# Altium PCB HV Interface.PcbDoc (part 2 of 3)
Units mil, origin at the board's own origin, x right, y up, seen from the top; angles counter-clockwise.
Board outline 6200 x 4300 mil, 2 copper layers (Top Layer, Bottom Layer), stack 59.8 mil thick; 137 components, 86 nets, 402 pads, 288 vias.
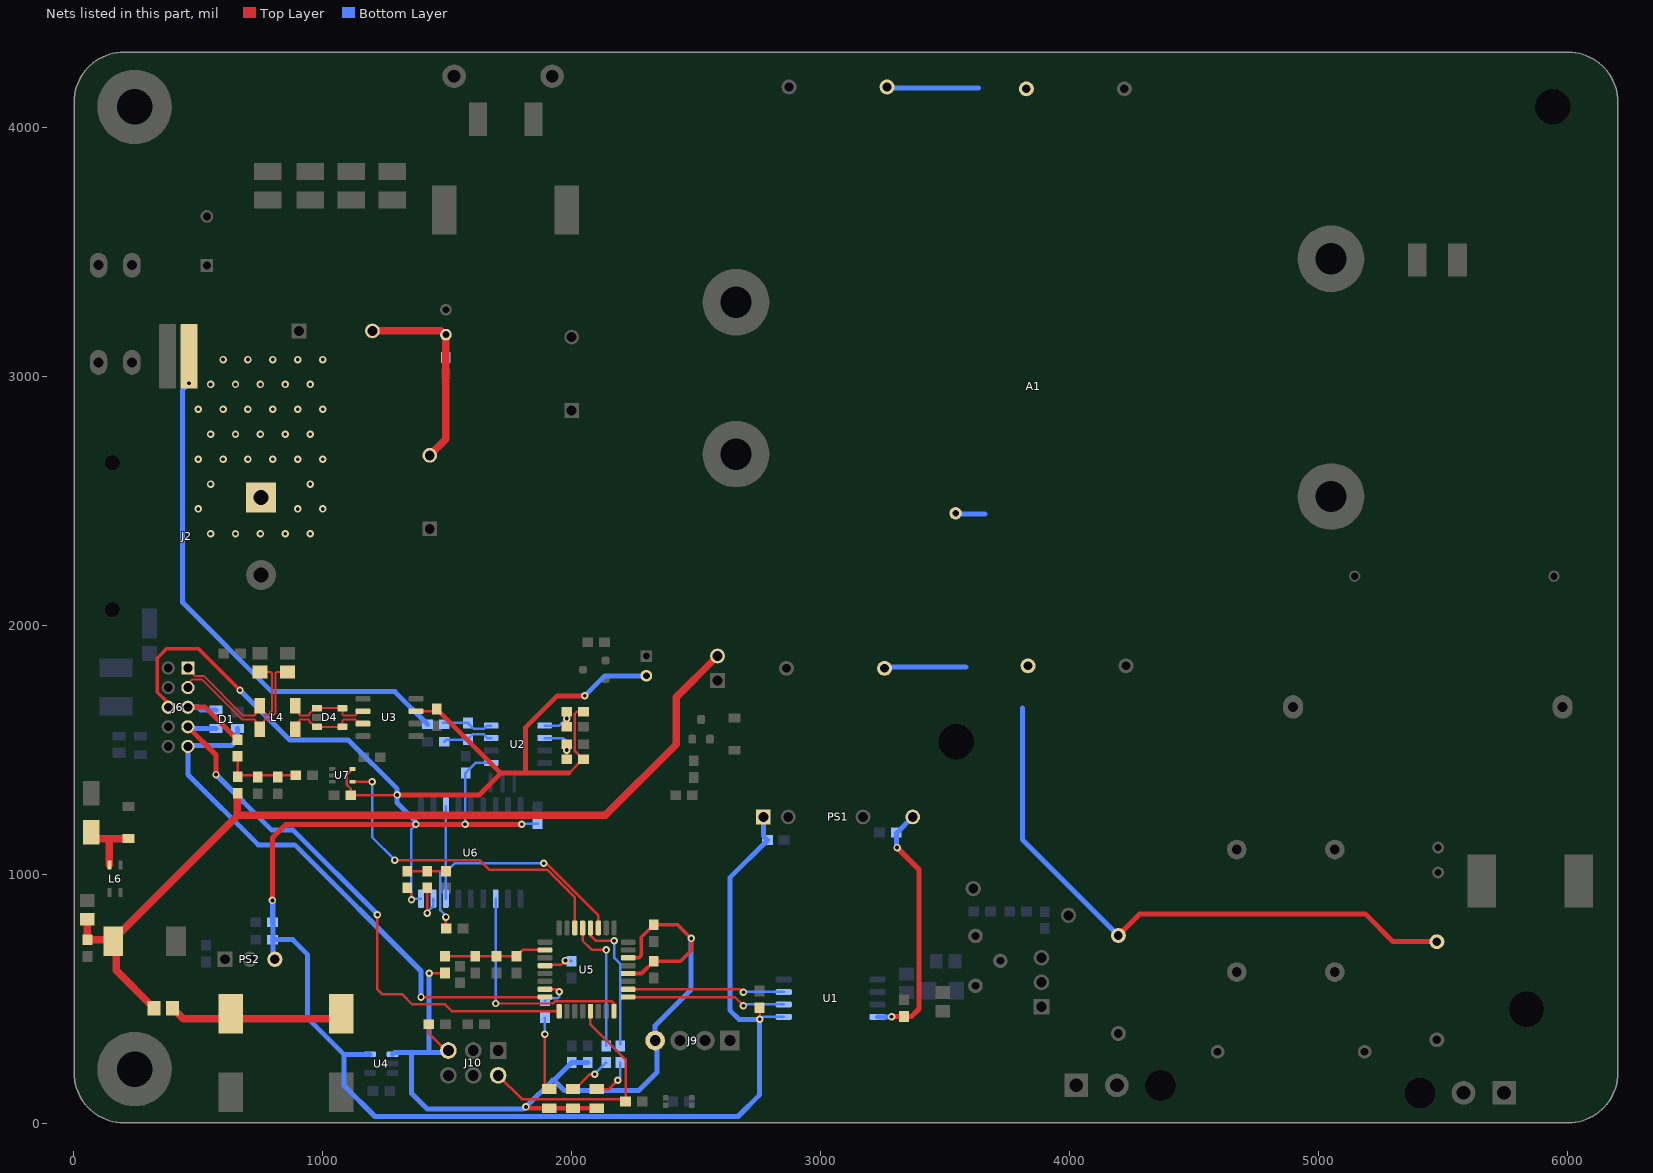
[diagram p2: the nets of this part, all layers, seen from the top]

## Part data (continued)
C1 C2: "4700µF 25V Aluminum Electrolytic Capacitors Radial, Can  2000 Hrs @ 85°C", Capacitance=4.7mF, Case/Package=Radial, Dielectric Material=Aluminium, Leakage Current=3.525mA, Manufacturer=Nichicon, Max Operating Temperature=85°C, Min Operating Temperature=-40°C, Package Quantity=50, Ripple Current=2.05A, Supplier Part Number 1=493-15905-ND, Tolerance=20%, Voltage Rating=25V, Category="Aluminum Electrolytic Capacitors", ComponentLink1Description="Manufacturer URL", ComponentLink1URL=http://www.nichicon.co.jp/, ComponentLink2Description=Datasheet, ComponentLink2URL=http://products.nichicon.co.jp/en/pdf/XJA043/e-ud.pdf, ComponentLink3Description="Package Specification", ComponentLink3URL=http://products.nichicon.co.jp/en/pdf/XJA043/e-ud.pdf, Diameter=18mm, Dissipation Factor=0.16%, Height=25mm, Height - Seated (Max)=1.043inch, Lead Free="Lead Free", Lead Pitch=7.5mm, Length=25mm, Life (Hours)=2000Hour, Manufacturer Part Number=URS1E472MHD, Mount="Through Hole", Number of Pins=2, Packaging=Bulk, Radiation Hardening=No, REACH SVHC="No SVHC", Supplier 1=Digi-Key, Termination=Radial, Voltage Rating (DC)=25V
C3: "470µF 25V Aluminum Electrolytic Capacitors Radial, Can  2000 Hrs @ 85°C", Capacitance=470uF, Case/Package=Radial, Leakage Current=352.5uA, Manufacturer=Nichicon, Max Operating Temperature=85°C, Min Operating Temperature=-40°C, Package Quantity=500, Ripple Current=550mA, Supplier Part Number 1=UVR1E471MPD1TD-ND, Tolerance=20%, Voltage=25V, Category="Aluminum Electrolytic Capacitors", ComponentLink1Description="Manufacturer URL", ComponentLink1URL=http://www.nichicon.co.jp/, ComponentLink2Description=Datasheet, ComponentLink2URL=http://products.nichicon.co.jp/en/pdf/XJA043/e-ud.pdf, ComponentLink3Description="Package Specification", ComponentLink3URL=http://products.nichicon.co.jp/en/pdf/XJA043/e-ud.pdf, Diameter=10mm, Dissipation Factor=0.16%, Height=12.5mm, Height - Seated (Max)=0.551inch, Lead Diameter=0.6mm, Lead Pitch=5mm, Length=12.5mm, Life (Hours)=2000Hour, Manufacturer Part Number=UVR1E471MPD1TD, Mount="Through Hole,PCB", Packaging="Tape and Reel", Radiation Hardening=No, REACH SVHC="No SVHC", Supplier 1=Digi-Key, Termination=Radial, Voltage Rating=25V, Voltage Rating (DC)=25V
C4 C5 C6 C14 C15 C16: "2200pF Film Capacitor 300V 1500V (1.5kV) Polypropylene (PP), Metallized Radial", Capacitance=2.2nF, Case/Package=Radial, Dielectric=PP, Manufacturer="TDK EPCOS", Max Operating Temperature=110°C, Min Operating Temperature=-40°C, Package Quantity=1000, Tolerance=10%, Voltage Rating (AC)=300V, Voltage Rating (DC)=1.5kV, Category="Film Capacitors", ComponentLink1Description=Datasheet, ComponentLink1URL=http://en.tdk.eu/inf/20/20/db/fc_2009/Y2_B32021_026.pdf, Depth=4mm, Height=9mm, Lead Diameter=0.6mm, Lead Pitch=10mm, Lead/Base Style=Straight, Length=13mm, Manufacturer Part Number=B32021A3222K000, Number of Pins=2, Packaging=Bulk, Termination=Radial, Width=4mm
C7: "0.33µF Film Capacitor 305V 630V Polypropylene (PP) Radial", Capacitance=330nF, Case/Package=Radial, Dielectric=PP, Dielectric Material=Polypropylene, Manufacturer="TDK EPCOS", Max Operating Temperature=105°C, Min Operating Temperature=-40°C, Supplier Part Number 1=495-2321-ND, Tolerance=20%, Voltage=630V, Voltage Rating (AC)=305V, Category="Film Capacitors", ComponentLink1Description=Datasheet, ComponentLink1URL=http://en.tdk.eu/inf/20/20/db/fc_2009/Y2_B32021_026.pdf, Contact Plating=Tin,Matte, Depth=8mm, Lead Diameter=0.8mm, Lead Pitch=15mm, Length=18mm, Manufacturer Part Number=B32922C3334M000, Mount="Through Hole", Number of Pins=2, Packaging=Bulk, Radiation Hardening=No, REACH SVHC="No SVHC", Supplier 1=Digi-Key, Termination=Radial, Width=18mm
C8: "22µF Film Capacitor  450V Polypropylene (PP), Metallized Radial", Capacitance=22uF, Dielectric=PP, ESR (Equivalent Series Resistance)=5.4mR, Manufacturer="TDK EPCOS", Max Operating Temperature=105°C, Min Operating Temperature=-40°C, Supplier Part Number 1=495-3942-ND, Tolerance=10%, Voltage=450V, Category="Film Capacitors", Contact Plating=Tin,Matte, Depth=22mm, Dielectric Material=PP, Height=36.5mm, Lead Diameter=0.8mm, Lead Length=6mm, Lead Pitch=27.5mm, Length=31.5mm, Manufacturer Part Number=B32774D4226K000, Mount="Through Hole", Packaging=Bulk, REACH SVHC="No SVHC", Supplier 1=Digi-Key, Termination=Radial, Voltage Rating=450V, Voltage Rating (DC)=450V
C9 C10 C11 C12: "Capacitor Surface Mount 1210 Footprint 4.7UF 100V 20% Tolerance Ceramic X7S", Manufacturer=Various, PCB Package=1210, Tolerance=20%, Voltage=100V, ComponentLink1Description="Manufacturer Website", ComponentLink2Description="Component Datasheet", ComponentLink3Description="Octopart Link", Description in Visual="Cap SMT 1210 4.7UF 100V 20%  Cer X7S", Manufacturer P/N=Various, P/N="CAP 1210 4.7UF 100V 20% X7S", Type="Ceramic X7S", Vol=100V
  C9: Val=4.7u
  C10 C11 C12: Val=4.7UF
C13: "1000µF 50V Aluminum Electrolytic Capacitors Radial, Can  10000 Hrs @ 105°C", Capacitance=1mF, Case/Package=Radial, Dielectric Material=Aluminium, ESR (Equivalent Series Resistance)=97mR, Leakage Current=500uA, Manufacturer=Nichicon, Max Operating Temperature=105°C, Min Operating Temperature=-40°C, Package Quantity=50, Ripple Current=2.49A, Supplier Part Number 1=493-1623-ND, Tolerance=20%, Voltage Rating=50V, Category="Aluminum Electrolytic Capacitors", Diameter=18mm, Dissipation Factor=0.1%, Height=20mm, Height - Seated (Max)=0.787inch, Impedance=36mR, Lead Diameter=0.8mm, Lead Free="Lead Free", Lead Pitch=7.5mm, Length=20mm, Life (Hours)=10000Hour, Manufacturer Part Number=UHE1H102MHD3, Mount="Through Hole", Packaging=Bulk, Radiation Hardening=No, REACH SVHC="No SVHC", Supplier 1=Digi-Key, Termination=Radial, Voltage Rating (DC)=50V
C17 C18: "Capacitor Surface Mount 0603 Footprint 0.047UF 25V 10% Tolerance Ceramic X7R", Manufacturer=Various, PCB Package=0603, Tolerance=10%, Voltage=25V, ComponentLink1Description="Manufacturer Website", ComponentLink2Description="Component Datasheet", ComponentLink3Description="Octopart Link", Description in Visual="Cap SMT 0603 0.047UF 25V 10%  Cer X7R", Manufacturer P/N=Various, P/N="CAP 0603 0.047UF 25V 10% X7R", Type="Ceramic X7R", Val=0.047UF, Vol=25V
C19 C22: "Capacitor Surface Mount 0805 Footprint 0.1UF 100V 10% Tolerance Ceramic X7R", Manufacturer=Various, PCB Package=0805, Tolerance=10%, Voltage=100V, ComponentLink1Description="Manufacturer Website", ComponentLink2Description="Component Datasheet", ComponentLink3Description="Octopart Link", Description in Visual="Cap SMT 0805 0.1UF 100V 10%  Cer X7R", Manufacturer P/N=Various, P/N="CAP 0805 0.1UF 100V 10% X7R", Type="Ceramic X7R", Val=0.1UF, Vol=100V
C20: "Capacitor Surface Mount 0603 Footprint 10UF 16V 20% Tolerance Ceramic X5R", Manufacturer=Various, PCB Package=0603, Tolerance=20%, Voltage=16V, ComponentLink1Description="Manufacturer Website", ComponentLink2Description="Component Datasheet", ComponentLink3Description="Octopart Link", Description in Visual="Cap SMT 0603 10UF 16V 20% Ceramic X5R", Manufacturer P/N=Various, P/N="CAP 0603 10UF 16V 20% X5R", Type="Ceramic X5R", Val=10UF, Vol=16V
C21: "Capacitor Surface Mount 0603 Footprint 47UF 35V 10% Tolerance Ceramic X5R", Manufacturer=Various, PCB Package=0603, Tolerance=10%, Voltage=35V, ComponentLink1Description="Manufacturer Website", ComponentLink2Description="Component Datasheet", ComponentLink3Description="Octopart Link", Description in Visual="CAP 0603 4.7UF 35V 10% X5R", Manufacturer P/N=Various, P/N="CAP 0603 4.7UF 35V 10% X5R", Type="Ceramic X5R", Val=4.7UF, Vol=35V
C23: "Capacitor Surface Mount 0603 Footprint 0.1UF 10V 10% Tolerance Ceramic X7R", Manufacturer=Various, PCB Package=0603, Tolerance=10%, Voltage=10V, ComponentLink1Description="Manufacturer Website", ComponentLink2Description="Component Datasheet", ComponentLink3Description="Octopart Link", Description in Visual="Cap SMT 0603 0.1UF 10V 10%  Cer X7R", Manufacturer P/N=Various, P/N="CAP 0603 0.1UF 10V 10% X7R", Type="Ceramic X7R", Val=0.1UF, Vol=10V
C24 C41 C43: "Capacitor Surface Mount 0603 Footprint 0.1UF 16V 10% Tolerance Ceramic X7R", Manufacturer=Various, PCB Package=0603, Tolerance=10%, Voltage=16V, ComponentLink1Description="Manufacturer Website", ComponentLink2Description="Component Datasheet", ComponentLink3Description="Octopart Link", Description in Visual="Cap SMT 0603 0.1UF 16V 10%  Cer X7R", Manufacturer P/N=Various, P/N="CAP 0603 0.1UF 16V 10% X7R", Type="Ceramic X7R", Val=0.1UF, Vol=16V
C25: "Capacitor Surface Mount 0603 Footprint 4700PF 50V 10% Tolerance Ceramic X7R", Manufacturer=Various, PCB Package=0603, Tolerance=10%, Voltage=50V, ComponentLink1Description="Manufacturer Website", ComponentLink2Description="Component Datasheet", ComponentLink3Description="Octopart Link", Description in Visual="Cap SMT 0603 4700PF 50V 10%  Cer X7R", Manufacturer P/N=Various, P/N="CAP 0603 4700PF 50V 10% X7R", Type="Ceramic X7R", Val=4700PF, Vol=50V
C26 C34: "Capacitor Surface Mount 0603 Footprint 0.1UF 50V 10% Tolerance Ceramic X7R", Manufacturer=Various, PCB Package=0603, Tolerance=10%, Voltage=50V, ComponentLink1Description="Manufacturer Website", ComponentLink2Description="Component Datasheet", ComponentLink3Description="Octopart Link", Description in Visual="Cap SMT 0603 0.1UF 50V 10%  Cer X7R", Manufacturer P/N=Various, P/N="CAP 0603 0.1UF 50V 10% X7R", Type="Ceramic X7R", Val=0.1UF, Vol=50V
C27 C35: "Capacitor Surface Mount 0603 Footprint 1UF 50V 10% Tolerance Ceramic X7R", Manufacturer=Various, PCB Package=0603, Tolerance=10%, Voltage=50V, ComponentLink1Description="Manufacturer Website", ComponentLink2Description="Component Datasheet", ComponentLink3Description="Octopart Link", Description in Visual="Cap SMT 0603 1UF 50V 10% Ceramic X7R", Manufacturer P/N=Various, P/N="CAP 0603 1UF 50V 10% X7R", Type="Ceramic X7R", Val=1UF, Vol=50V
C28 C30 C32 C33: "Capacitor Surface Mount 0603 Footprint 0.1UF 25V 10% Tolerance Ceramic X7R", Manufacturer=Various, PCB Package=0603, Tolerance=10%, Voltage=25V, ComponentLink1Description="Manufacturer Website", ComponentLink2Description="Component Datasheet", ComponentLink3Description="Octopart Link", Description in Visual="Cap SMT 0603 0.1UF 25V 10%  Cer X7R", Manufacturer P/N=Various, P/N="CAP 0603 0.1UF 25V 10% X7R", Type="Ceramic X7R", Val=0.1UF, Vol=25V
C29: "Capacitor Surface Mount 0603 Footprint 0.01UF 100V 10% Tolerance Ceramic X7R", Manufacturer=Various, PCB Package=0603, Tolerance=10%, Voltage=100V, ComponentLink1Description="Manufacturer Website", ComponentLink2Description="Component Datasheet", ComponentLink3Description="Octopart Link", Description in Visual="Cap SMT 0603 0.01UF 100V 10%  Cer X7R", Manufacturer P/N=Various, P/N="CAP 0603 0.01UF 100V 10% X7R", Type="Ceramic X7R", Val=0.01UF, Vol=100V
C31: "Capacitor Surface Mount 0603 Footprint 0.01UF 16V 10% Tolerance Ceramic X7R", Manufacturer=Various, PCB Package=0603, Tolerance=10%, Voltage=16V, ComponentLink1Description="Manufacturer Website", ComponentLink2Description="Component Datasheet", ComponentLink3Description="Octopart Link", Description in Visual="Cap SMT 0603 0.01UF 16V 10%  Cer X7R", Manufacturer P/N=Various, P/N="CAP 0603 0.01UF 16V 10% X7R", Type="Ceramic X7R", Val=0.01UF, Vol=16V
C36 C37: "Aluminum Electrolytic Capacitor, UD Series, Low Impedance, 330 uF, 35 V, + / - 20%, -55 to 105 degC, Chip Type, 10 x 10 mm D x L, Pb-Free, Reel", Manufacturer=Nichicon, Rated Capacitance="330 uF", Rated Ripple Current (at 100kHz)="670 mA", Rated Voltage="35 V", Supplier Part Number 1=493-2293-1-ND, Tolerance Rated Capacitance="-20 to 20%", ComponentLink1Description="Manufacturer URL", ComponentLink1URL=http://www.nichicon.co.jp/, ComponentLink2Description=Datasheet, ComponentLink2URL=http://products.nichicon.co.jp/en/pdf/XJA043/e-ud.pdf, ComponentLink3Description="Package Specification", ComponentLink3URL=http://products.nichicon.co.jp/en/pdf/XJA043/e-ud.pdf, DatasheetVersion=08/2012, Diameter="10 mm", Endurance Time="5000 h", Impedance="0.09 Ohm", Length="10 mm", Manufacturer 1=Nichicon, Manufacturer Part Number 1=UUD1V331MNL1GS, Mounting Technology="Surface Mount", PackageDescription="2-Pin Surface Mount Device, Diameter 10 mm, Height 10 mm, Pitch 8 mm", PackageReference=CAPAE-D10H10, Packing="Dia382mm Reel", PartNumber=UUD1V331MNL1GS, RoHS=TRUE, Supplier 1=Digi-Key
C38 C40: "Capacitor Surface Mount 0603 Footprint 10UF 25V 20% Tolerance Ceramic X5R", Manufacturer=Various, PCB Package=0603, Tolerance=20%, Voltage=25V, ComponentLink1Description="Manufacturer Website", ComponentLink2Description="Component Datasheet", ComponentLink3Description="Octopart Link", Description in Visual="Cap SMT 0603 10UF 25V 20% Ceramic X5R", Manufacturer P/N=Various, P/N="CAP 0603 10UF 25V 20% X5R", Type="Ceramic X5R", Val=10UF, Vol=25V
C39: "Capacitor Surface Mount 0603 Footprint 2.2UF 35V 10% Tolerance Ceramic X5R", Manufacturer=Various, PCB Package=0603, Tolerance=10%, Voltage=35V, ComponentLink1Description="Manufacturer Website", ComponentLink2Description="Component Datasheet", ComponentLink3Description="Octopart Link", Description in Visual="Cap SMT 0603 2.2UF 35V 10%  Cer X5R", Manufacturer P/N=Various, P/N="CAP 0603 2.2UF 35V 10% X5R", Type="Ceramic X5R", Val=2.2UF, Vol=35V
C42: "Capacitor Surface Mount 0603 Footprint 0.01UF 25V 10% Tolerance Ceramic X7R", Manufacturer=Various, PCB Package=0603, Tolerance=10%, Voltage=25V, ComponentLink1Description="Manufacturer Website", ComponentLink2Description="Component Datasheet", ComponentLink3Description="Octopart Link", Description in Visual="Cap SMT 0603 0.01UF 25V 10%  Cer X7R", Manufacturer P/N=Various, P/N="CAP 0603 0.01UF 25V 10% X7R", Type="Ceramic X7R", Val=0.01UF, Vol=25V
D1 D3: "8.5V Clamp  Ipp Tvs Diode Surface Mount SOT-23-5 5.5V", Breakdown Voltage=5.5V, Capacitance=30pF, Case/Package=SOT-143, Clamping Voltage=8.5V, Leakage Current=100nA, Manufacturer=Littelfuse, Max Operating Temperature=85°C, Max Power Dissipation=225mW, Min Operating Temperature=-40°C, Power Line Protection=No, Supplier Part Number 1=F3157DKR-ND, Voltage Rating (DC)=5V, Category=Diodes, Composition=Zener, Depth=1.4mm, Diode Type=Avalanche, Direction=Unidirectional, Element Configuration="Common Anode", ESD Protection=Yes, Height=1.05mm, Lead Free="Lead Free", Length=3.04mm, Manufacturer Part Number=SP0503BAHTG, Max Reverse Leakage Current=100nA, Mount="Surface Mount", Number of Channels=3, Number of Elements=3, Number of Pins=4, Number of Unidirectional Channels=3, Operating Supply Voltage=5.5V, Packaging="Tape and Reel", Peak Pulse Power=225mW, Polarity=Bidirectional,Unidirectional, Power Dissipation=225mW, Radiation Hardening=No, REACH SVHC="No SVHC", Reverse Standoff Voltage=5.5V, Supplier 1=Digi-Key, Termination=SMD/SMT, Width=1.4mm, Working Voltage=5.5V
D2: "8.5V Clamp  Ipp Tvs Diode Surface Mount SOT-23-5 5.5V", Breakdown Voltage=5.5V, Capacitance=30pF, Case/Package=SOT-23-3, Clamping Voltage=8.5V, Leakage Current=100nA, Manufacturer=Littelfuse, Max Operating Temperature=85°C, Max Power Dissipation=225mW, Min Operating Temperature=-40°C, Operating Supply Voltage=5V, Power Line Protection=No, Supplier Part Number 1=F2714CT-ND, Category=Diodes, Composition=Zener, Depth=1.35mm, Diode Type=Avalanche, Direction=Unidirectional, Element Configuration="Common Anode", ESD Protection=Yes, Height=1.12mm, Lead Free="Lead Free", Length=3.04mm, Manufacturer Part Number=SP0502BAHTG, Max Reverse Leakage Current=100nA, Mount="Surface Mount", Number of Channels=2, Number of Elements=2, Number of Pins=3, Number of Unidirectional Channels=2, Packaging="Tape and Reel", Peak Pulse Power=225mW, Polarity=Bidirectional,Unidirectional, Power Dissipation=225mW, Radiation Hardening=No, REACH SVHC="No SVHC", Reverse Standoff Voltage=5.5V, Supplier 1=Digi-Key, Termination=SMD/SMT, Voltage Rating (DC)=5V, Width=1.4mm, Working Voltage=5.5V
D4: "8.5V Clamp  Ipp Tvs Diode Surface Mount SOT-23-5 5.5V", Breakdown Voltage=5.5V, Capacitance=30pF, Case/Package=SOT-23, Clamping Voltage=8.5V, Leakage Current=100nA, Manufacturer=Littelfuse, Max Operating Temperature=85°C, Max Power Dissipation=225mW, Min Operating Temperature=-40°C, Power Line Protection=No, Supplier Part Number 1=F3157CT-ND, Voltage Rating (DC)=5V, Category="TVS Diodes", Composition=Zener, Depth=1.75mm, Diode Type=Avalanche, Direction=Unidirectional, Element Configuration="Common Anode", ESD Protection=Yes, Height=1.3mm, Lead Free="Lead Free", Length=3.05mm, Manufacturer Part Number=SP0504BAHTG, Max Reverse Leakage Current=100nA, Mount="Surface Mount", Number of Channels=4, Number of Elements=4, Number of Pins=5, Number of Unidirectional Channels=4, Packaging="Tape and Reel", Peak Pulse Power=225mW, Polarity=Bidirectional,Unidirectional, Power Dissipation=225mW, Radiation Hardening=No, REACH SVHC=Unknown, Reverse Standoff Voltage=5.5V, Supplier 1=Digi-Key, Termination=SMD/SMT, Width=1.75mm, Working Voltage=5.5V
D5: "Green 574nm LED Indication - Discrete 1.9V 0805 (2012 Metric)", Case Code (Imperial)=0805, Case Code (Metric)=2012, Color=Green, Forward Current=2mA, Forward Voltage=1.9V, Lens Color=Colorless, Manufacturer=Bivar, Max Operating Temperature=80°C, Min Operating Temperature=-30°C, Package Quantity=4000, Supplier Part Number 1=492-2525-1-ND, Case/Package=0805, Category=LEDs, Dominant Wavelength=574nm, Height=0.8mm, Illumination Color=Green, Lead Free="Lead Free", Length=2mm, Lens Transparency=Clear, Luminous Intensity=3.6mcd, Manufacturer Part Number=SM0805GCL, Mount="Surface Mount", Packaging="Tape and Reel", Supplier 1=Digi-Key, Test Current=2mA, Viewing Angle=130°, Width=1.2mm
D6: "Yellow 592nm LED Indication - Discrete 1.9V 0805 (2012 Metric)", Case Code (Imperial)=0805, Case Code (Metric)=2012, Color=Yellow, Forward Current=2mA, Forward Voltage=1.9V, Lens Color=Colorless, Manufacturer=Bivar, Max Operating Temperature=80°C, Min Operating Temperature=-30°C, Package Quantity=4000, Supplier Part Number 1=492-2526-1-ND, Case/Package=0805, Category=LEDs, Dominant Wavelength=592nm, Height=0.8mm, Illumination Color=Yellow, Lead Free="Lead Free", Length=2mm, Lens Transparency=Clear, Luminous Intensity=11.5mcd, Manufacturer Part Number=SM0805YCL, Mount="Surface Mount", Packaging="Tape and Reel", Supplier 1=Digi-Key, Test Current=2mA, Viewing Angle=130°, Width=1.2mm
D7: "Red 631nm LED Indication - Discrete 1.9V 0805 (2012 Metric)", Case Code (Imperial)=0805, Case Code (Metric)=2012, Color=Red, Forward Current=2mA, Forward Voltage=1.9V, Lens Color=Colorless, Manufacturer=Bivar, Max Operating Temperature=80°C, Min Operating Temperature=-30°C, Package Quantity=4000, Power Rating=78mW, Supplier Part Number 1=492-2281-1-ND, Case/Package=0805, Category=LEDs, Dominant Wavelength=631nm, Height=0.8mm, Illumination Color=Red, Lead Free="Lead Free", Length=2mm, Lens Transparency=Clear, Luminous Intensity=11.5mcd, Manufacturer Part Number=SM0805HCL, Mount="Surface Mount", Packaging="Tape and Reel", Supplier 1=Digi-Key, Test Current=2mA, Viewing Angle=130°, Width=1.2mm
D8: library part CMP-1667-00003-1, "Surface Mount Schottky Barrier Rectifier, 40 V, 3 A, -55 to 150 degC, 2-Pin SMA, RoHS, Tape and Reel", Case\Package=SMA, Forward Current="3 A", Forward Voltage="500 mV", Max Operating Temperature="125 degC", Max Surge Current="80 A", Min Operating Temperature="-55 degC", Package Quantity=5000, Peak Reverse Current="500 uA", ComponentLink1Description="Manufacturer URL", ComponentLink1URL=http://www.diodes.com/, ComponentLink2Description=Datasheet, ComponentLink2URL=http://www.diodes.com/_files/datasheets/ds30891.pdf, DatasheetVersion="Rev. 17 - 2, 09/2015", Elements=1, Height="2.1 mm", Length="4.6 mm", Mount="Surface Mount", Mounting Technology="Surface Mount", PackageDescription="2-Pin Surface Mounted Assembly, Body 4.3 x 2.605 mm, Height 2.4 mm", PackageReference=SMA-2, Packaging="Tape and Reel", Pins=2, Radiation Hardening=No, REACH SVHC="No SVHC", RoHSCompliant=true, Width="2.92 mm"
D9: library part CMP-1060-00481-1, "Zener Voltage Regulator, 500 mW, 2-Pin SOD-123, Pb-Free, Tape and Reel", Manufacturer="On Semiconductor", ComponentLink1Description="Manufacturer URL", ComponentLink1URL=http://www.onsemi.com/, ComponentLink2Description=Datasheet, ComponentLink2URL=http://www.onsemi.cn/pub_link/Collateral/MMSZ5221BT1-D.PDF, ComponentLink3Description="Package Specification", ComponentLink3URL=http://www.onsemi.com/pub_link/Collateral/425-04.PDF, DatasheetVersion="Rev. 12", Mounting Technology="Surface Mount", P Max (W)=0.5, PackageDescription="2-Pin SOD, Body 1.6 x 2.69 mm", PackageReference=SOD-123-2-425-04, PackageVersion="Rev. G, 10/2009", Packing="Tape and Reel", PartNumber=SZMMSZ5243BT1G, RoHS=Pb-Free, VZ Typ (V)=13
D10: library part CMP-2000-04993-1, "High Speed Switching Diode, 400 mW, 150 mA, -65 to 150 degC, 2-Pin SOD123, RoHS, Tape and Reel", Average Forward Current-Max=0.15A, Manufacturer="Micro Commercial Components", Package Description="2-Pin Small Outline Diode, Body 2.7 x 1.6 mm, Height 1.35 mm", Package Reference=SOD123, Peak Current-Max=2A, Power Dissipation=400mW, Reverse Voltage-Max [Vrrm]=100V, Datasheet URL=https://datasheet.ciiva.com/16836/1n4148wsod123-16836277.pdf, Datasheet Version="Rev. C, 07/2014", Manufacturer URL=http://www.mccsemi.com/, Package URL=http://www.mccsemi.com/up_pdf/1N4448W(SOD-123).pdf, Reverse Recovery Time-Max=4ns
F1: "Fuse Holder 30A 500V 1 Circuit Blade Through Hole", Color=Black, Current Rating=20A, Flammability Rating="UL94 V-0", Manufacturer="Keystone Electronics", Max Operating Temperature=145°C, Min Operating Temperature=-50°C, Package Quantity=1, Supplier Part Number 1=36-3568-ND, Voltage=500V, Approvals=UL, Body Material=Nylon, Category="Fuse Holders", Contact Material=Brass,Tin, Contact Plating=Tin, Depth=6.73mm, Fuse Current=20A, Fuse Type=Automotive, FuseRating=20A, Illumination Type=Illuminated, Lead Free="Lead Free", Length=16mm, Manufacturer Part Number=3568, Material=Brass,Tin,Nylon, Mount=PCB,Vertical, Number of Circuits=1, Number of Poles=1, Orientation=Vertical, REACH SVHC="No SVHC", Supplier 1=Digi-Key, Termination="PC Pin", Voltage Rating (AC)=500V
F2: library part MF-MSMF050, "500 mA 15 VDC PTC resettable fuse 1812 footprint", Hold Current (mA)=500, Manufacturer=Bourns, Max Current (A)=100, Max Voltage (V)=15, PCB Package=1812, Resistance (max) (Ohms)=1, Resistance (min) (Ohms)=0.15, Trip Current (mA)=1000, ComponentLink1Description="Manufacturer Website", ComponentLink1URL=http://www.bourns.com, ComponentLink2Description="Component Datasheet", ComponentLink3Description="Octopart Link", ComponentLink3URL=http://octopart.com/partsearch/#search/requestData&q=MF-MSMF050, Description in Visual="Fuse Resettable SMT 500mA 15VDC 1812", Manufacturer P/N=MF-MSMF050, P/N=MF-MSMF050, Time to Trip (sec)=0.15
FB1: "Ferrite Chip 4000 mA 680 Ohms Differential Mode - Single 1812 Footprint", Current (mA)=5000, DC Resistance (ohms)=0.028, Frequency="100 MHz", Impedance at Freq (ohms)=30, Manufacturer="Taiyo Yuden", Operating Temperature Range="-40 to +125 °C", PCB Package=1812, ComponentLink1Description="Manufacturer Website", ComponentLink1URL=#http://www.yuden.co.jp#, ComponentLink2Description="Component Datasheet", ComponentLink2URL=#https://ds.yuden.co.jp/TYCOMPAS/ut/detail?pn=FBMH4532HM681-T%20%20&u=M#, ComponentLink3Description="Octopart Link", ComponentLink3URL=#https://octopart.com/search?q=FBMH4532HM681-T&currency=USD&specs=0#, Description in Visual="Ferrite SMT 4000mA 680Ohm Dif Mode 1812", Filter type="Differential Mode - Single", Manufacturer P/N=FBMH4532HM681-T, P/N=FBMH4532HM681-T, Usage="Power Supply"
FB2: library part 742792114, "Ferrite Chip 3000 mA 50 Ohms Differential Mode - Single 1206 Footprint", Current (mA)=3000, DC Resistance (ohms)=0.02, Frequency="100 MHz", Impedance at Freq (ohms)=50, Manufacturer="Wurth Electronics", Operating Temperature Range="-55 to +125 °C", PCB Package=1206, ComponentLink1Description="Manufacturer Website", ComponentLink1URL=http://www.we-online.com, ComponentLink2Description="Component Datasheet", ComponentLink2URL=http://www.we-online.com/eisos/pdf/742792114.pdf, ComponentLink3Description="Octopart Link", ComponentLink3URL=http://octopart.com/partsearch/#search/requestData&q=742792114, Description in Visual="Ferrite SMT 3000mA 50Ohm Dif Mode 1206", Filter type="Differential Mode - Single", Manufacturer P/N=742792114, P/N=742792114, Usage="Power Supply"
FB3 FB5: library part MMZ1608A252B, "Ferrite Chip 200 mA 2500 Ohms Differential Mode - Single 0603 Footprint", Current (mA)=200, DC Resistance (ohms)=0.8, Frequency="100 MHz", Impedance at Freq (ohms)=2500, Manufacturer=TDK, Operating Temperature Range="-55 to +125 °C", PCB Package=0603, ComponentLink1Description="Manufacturer Website", ComponentLink1URL=http://www.tdk.com/, ComponentLink2Description="Component Datasheet", ComponentLink2URL=http://www.tdk.co.jp/tefe02/e9412_mmz1608.pdf, ComponentLink3Description="Octopart Link", ComponentLink3URL=http://octopart.com/partsearch/#search/requestData&q=MMZ1608A252B, Description in Visual="Ferrite SMT 200mA 2500Ohm Dif Mode 0603", Filter type="Differential Mode - Single", Manufacturer P/N=MMZ1608A252B, P/N=MMZ1608A252B, Usage="Signal Line"
FB4: library part 742792097, "Ferrite Chip 1000 mA 1500 Ohms Differential Mode - Single 0805 Footprint", Current (mA)=1000, DC Resistance (ohms)=0.3, Frequency="100 MHz", Impedance at Freq (ohms)=1500, Manufacturer="Wurth Electronics", Operating Temperature Range="-55 to +125 °C", PCB Package=0805, ComponentLink1Description="Manufacturer Website", ComponentLink1URL=http://www.we-online.com, ComponentLink2Description="Component Datasheet", ComponentLink2URL=http://www.we-online.com/eisos/pdf/742792097.pdf, ComponentLink3Description="Octopart Link", ComponentLink3URL=http://octopart.com/partsearch/#search/requestData&q=742792097, Description in Visual="Ferrite SMT 1000mA 1500Ohm Dif Mode 0805", Filter type="Differential Mode - Single", Manufacturer P/N=742792097, P/N=742792097, Usage="Power Supply"
J1: "CONN HEADER VERT 2POS 2.5MM", Color=Natural, Contact Resistance=20mR, Current Rating=3A, Housing Color=White, Insulation Resistance=1GR, Manufacturer=JST, Max Operating Temperature=85°C, Max Voltage Rating (AC)=250V, Min Operating Temperature=-25°C, Supplier Part Number 1=73M9415, Category="FFC / FPC", Connector Type="Male Pin", Contact Material=Brass, Contact Plating=Tin,Copper,Lead, Depth=5.75mm, Fastening Type=Detent, Housing Material=Polyamide, Lead Free="Lead Free", Lead Pitch=2.5mm, Length=7.4mm, Manufacturer Part Number=B2B-XH-A(LF)(SN), Max Current Rating=3A, Max Voltage Rating (DC)=250V, Mount="Through Hole", Number of Contacts=2, Number of Positions=2, Number of Rows=1, Orientation=Straight, Packaging=Bulk, Pitch=2.5mm, REACH SVHC="No SVHC", Supplier 1=Newark, Termination=Solder, Voltage Rating=250V, Voltage Rating (AC)=250V, Wire/Cable Gauge=22AWG
J2: "Connector Header Through Hole, Right Angle 2 position 0.312\" (7.92mm)", Manufacturer=Hirose, Supplier Part Number 1=H125155-ND, Category=Connectors, Connector Type="Male Pin", Contact Mating Length=0.354inch, Contact Plating=Tin, Fastening Type=Latch, Manufacturer Part Number=DF22-2P-7.92DS(35), Mount="Through Hole", Number of Pins=2, Number of Positions=2, Number of Rows=1, Packaging=Bulk, Pitch=0.312inch, Supplier 1=Digi-Key, Termination=Solder
J3 J5: "Connector Header Through Hole 2 position 0.163\" (4.14mm)", Color=White, Contact Current Rating=9.5A, Flammability Rating="UL94 V-0", Manufacturer="TE Connectivity", Max Operating Temperature=221°C, Max Voltage Rating (AC)=600V, Min Operating Temperature=-67°C, Number of Power Positions=2, Package Quantity=200, Supplier Part Number 1=A32449-ND, Approvals=CSA, Built_By=EMA_UL_Team, Category=Connectors, Circuit Application=Power, Connector System=Wire-to-Board, Connector Type=Pin, Contact Gender=Male, Contact Material=Brass, Contact Plating=Tin, Contact Retention="No (Without)", Copyright="Copyright (C) 2018 Accelerated Designs. All rights reserved", Current Rating=9.5A, Depth=6.35mm, ELV=Compliant, Fastening Type=Ramp, Gender=Male, Height=13.49mm, Housing Color=White, Housing Material=Nylon, Lead Free="Lead Free", Length=9.83mm, Manufacturer Part Number=1-770872-0, Manufacturer_Part_Number=1-770872-0, Mating Alignment="Yes (With)", Mating Retention="Yes (With)", Mount="Through Hole", Number of Circuits=2, Number of Contacts=2, Number of Ports=1, Number of Positions=2, Number of Rows=1, Number of Terminals=2, Orientation=Straight, Packaging=Bag, PCB Mount Alignment="No (Without)", PCB Mount Retention=With, PCB Mounting Orientation=Vertical, PCB Thickness=0.062mm, Pitch=0.162inch, Plating Thickness=150um, Radiation Hardening=No, REACH SVHC=Unknown, RefDes=RefDes, Sealable="No (Without)", Strain Relief="No (Without)", Supplier 1=Digi-Key, Termination=Solder, Type=DEV, VDE Tested=Yes, Vendor="TE Connectivity", Voltage Rating=600V, Width=9.83mm
J4: "Connector Header Through Hole 2 position 0.079\" (2.00mm)", Color=Natural, Contact Resistance=20mR, Current Rating=2A, Housing Color=White, Insulation Resistance=1MR, Manufacturer=JST, Manufacturer Part Number=B2BPHKSLFSN, Max Operating Temperature=85°C, Max Voltage Rating (AC)=100V, Min Operating Temperature=-25°C, Supplier Part Number 1=37K9940, Category=Connectors, Connector Type="Male Pin", Contact Material=Brass,Tin, Contact Mating Length=0.13inch, Contact Plating=Tin,Copper, Depth=4.5mm, Fastening Type=Detent, Gender=Male, Height=9.4mm, Housing Material=Polyamide, Lead Free="Lead Free", Lead Pitch=2mm, Length=5.9mm, Max Current Rating=2A, Max Voltage Rating (DC)=100V, Mount="Through Hole", Number of Contacts=2, Number of Pins=2, Number of Poles=2, Number of Positions=2, Number of Rows=1, Orientation=Straight, Packaging=Bulk, Pitch=2mm, REACH SVHC="No SVHC", Supplier 1=Newark, Supplier 2=Digi-Key, Supplier Part Number 2=455-1704-ND, Termination=Solder, Voltage Rating=100V, Voltage Rating (AC)=100V, Width=4.5mm, Working Voltage=100V
J6: "Connector Header Through Hole, Right Angle 10 position 0.079\" (2.00mm)", Color=Natural, Contact Resistance=20mR, Current Rating=3A, Housing Color=Beige, Manufacturer=JST, Max Operating Temperature=85°C, Max Voltage Rating (AC)=250V, Min Operating Temperature=-25°C, Supplier Part Number 1=455-1775-ND, Category="Headers and Wire Housings", Connector Type="Male Pin", Contact Material="Copper Alloy,Tin", Contact Mating Length=0.114inch, Contact Plating=Tin,Copper, Depth=9.5mm, Fastening Type=Detent, Gender=Male, Height=9.5mm, Housing Material=Polyamide, Lead Free="Lead Free", Length=11.9mm, Manufacturer Part Number=S10B-PHDSS(LF)(SN), Max Current Rating=3A, Mount="Through Hole", Number of Contacts=10, Number of Positions=10, Number of Rows=2, Orientation="Right Angle", Packaging=Bulk, Pitch=2mm, Row Spacing=0.079inch, Supplier 1=Digi-Key, Termination=Solder, Width=5mm
J8: "Connector Header Through Hole 3 position 0.098\" (2.50mm)", Color=Natural, Contact Resistance=20mR, Current Rating=3A, Housing Color=White, Insulation Resistance=1GR, Manufacturer=JST, Max Operating Temperature=85°C, Max Voltage Rating (AC)=250V, Min Operating Temperature=-25°C, Supplier Part Number 1=73M9431, Category="Headers and Wire Housings", Connector Type="Male Pin", Contact Material=Brass, Contact Plating=Tin,Lead,Copper, Depth=5.75mm, Fastening Type=Detent, Gender=Male, Housing Material=Polyamide, Lead Free="Lead Free", Lead Pitch=2.5mm, Length=9.9mm, Manufacturer Part Number=B3B-XH-A(LF)(SN), Max Current Rating=3A, Max Voltage Rating (DC)=250V, Mount="Through Hole", Number of Contacts=3, Number of Positions=3, Number of Rows=1, Orientation=Straight, Packaging=Bulk, Pitch=2.5mm, REACH SVHC="No SVHC", Supplier 1=Newark, Termination=Press-Fit, Voltage Rating=250V, Voltage Rating (AC)=250V, Wire/Cable Gauge=22AWG
J9: "Connector Header Through Hole 4 position 0.100\" (2.54mm)", Color=Black, Manufacturer="Wurth Electronics", Manufacturer Part Number=61300411121, Supplier Part Number 1=732-5317-ND, Category=Connectors, Connector Type="Male Pin", Contact Material=Copper, Contact Mating Length=0.236inch, Contact Plating=Gold, Gender=Male, Lead Free="Lead Free", Mount="Through Hole", Number of Contacts=4, Number of Positions=4, Number of Rows=1, Packaging=Bulk, Pitch=0.1inch, REACH SVHC=Unknown, Supplier 1=Digi-Key, Supplier 2=Digi-Key, Supplier Part Number 2=H123038-ND, Termination=Solder
J10: "Connector Header Through Hole 6 position 0.100\" (2.54mm) for AVR ICSP", Supplier Part Number 1=732-5295-ND, Supplier 1=Digi-Key, Supplier 2=Digi-Key, Supplier 3="Allied Electronics", Supplier 4=Digi-Key, Supplier Part Number 2=952-2120-ND, Supplier Part Number 3=70949531, Supplier Part Number 4=S2011EC-03-ND
JP1: library part JP_18AWG, "18AWG Jumper link, 1CM"
L1: "10µH Shielded Wirewound Inductor 7.1A 21mOhm Max Nonstandard", Case Code (Imperial)=1210, Case Code (Metric)=3225, Case/Package=Nonstandard, Current Rating=7.1A, DC Resistance (DCR)=21mR, Inductance=10uH, Inductance Tolerance=20%, Manufacturer="Wurth Electronics", Max Operating Temperature=125°C, Min Operating Temperature=-40°C, Package Quantity=250, Saturation Current=10.5A, Self Resonant Frequency=21MHz, Supplier Part Number 1=732-1241-1-ND, Test Frequency=1kHz, Category="Fixed Inductors", Composition=Wirewound, Core Material=Ferrite, Depth=12mm, Height=10mm, Height - Seated (Max)=0.394inch, Lead Free="Lead Free", Lead Pitch=7mm, Length=12mm, Manufacturer Part Number=7447709100, Max DC Current=7.1A, Mount="Surface Mount", Number of Pins=2, Packaging="Cut Tape", REACH SVHC=Unknown, Resistance=21mR, RMS Current (Irms)=7.1A, Series Resistance=21mR, Shielding=Shielded, Supplier 1=Digi-Key, Termination=SMD/SMT, Tolerance=20%, Weight=0.01lb, Width=12mm